# Altium PCB RGV_Control_1V21_unpoly.PcbDoc (part 4 of 5)
Units mm, origin at the board's own origin, x right, y up, seen from the top; angles counter-clockwise.
Board outline 221.11 x 150.42 mm, 4 copper layers (Top Layer, GND, Power, Bottom Layer), stack 1.56 mm thick; 530 components, 870 nets, 2373 pads, 590 vias.
Unrouted connection lines stored in the file: 760.
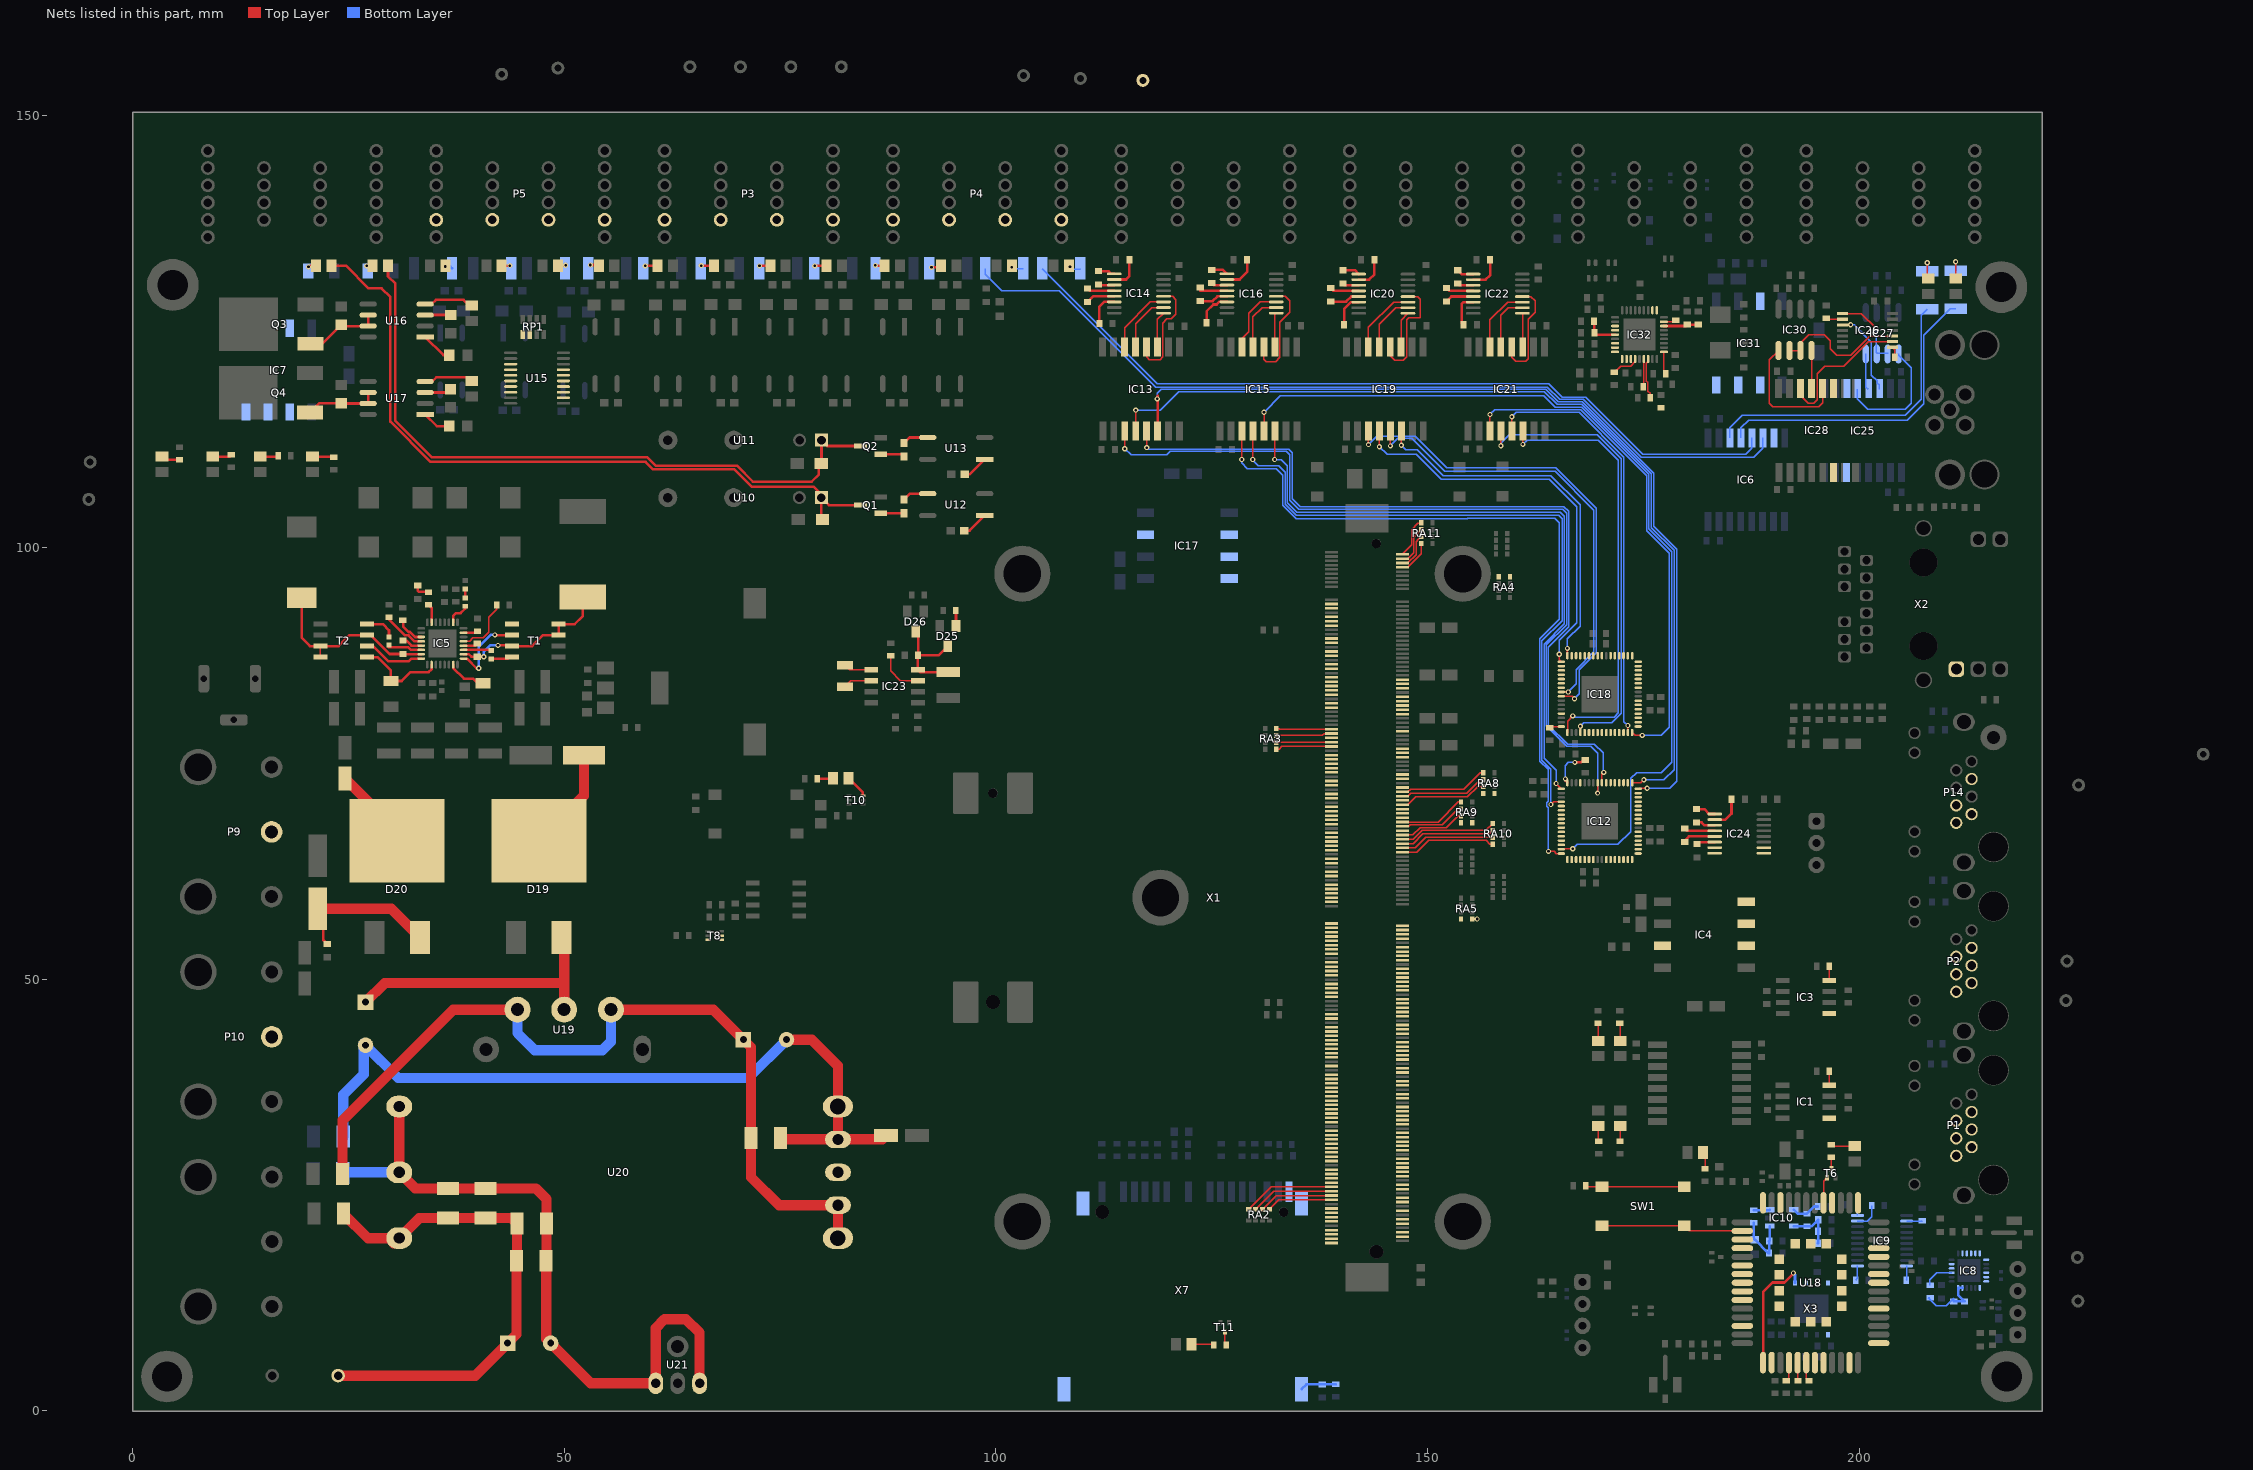
[diagram p6: the nets of this part, all layers, seen from the top]

## Via types
v1: diameter 0.6, hole 0.3, Top Layer to Bottom Layer, 533 vias
v2: diameter 0.5, hole 0.2, Top Layer to Bottom Layer, 32 vias
v3: diameter 0.6, hole 0.3, Top Layer to Bottom Layer, tented bottom, 25 vias

## Nets (pads, with @x,y where several pads share a name; then routed paths per layer and width w, separated by ;. In a path a pad name is that pad's centre, name@x,y a point inside that pad or via, vN(x,y) a via of type N, cw(c..) or ccw(c..) an arc to the next point about the centre after c; other vN are vias at no path point) (continued)
NetC47_1: C47.1 C48.1 IC8.5 IC8.6 R72.1 | length 7.9
  Bottom Layer w0.15: R72.1@208.15,13.125 207.949,13.125 208.899,12.175 210.043,12.175 210.922,13.053 C48.1@210.922,12.688
  Bottom Layer w0.3: C48.1@210.922,12.688 C47.1@212.166,12.688 211.424,13.43 IC8.6@211.424,14.256 IC8.5@211.924,14.256
NetC49_2: C49.2 C50.2 IC10.1 L17.1 R75.1 | length 7.5
  Bottom Layer w0.3: R75.1@187.749,21.779 187.749,19.966 L17.1@187.876,19.839 189.422,18.294 189.55,18.294 C49.2@189.55,19.675 ; C49.2@189.508,19.675 189.55,19.717 189.592,19.717 IC10.1@189.592,21.402
NetC51_2: C51.2 C52.2 IC10.5 R74.1 R76.2 | length 5.9
  Bottom Layer w0.3: IC10.5@192.392,21.402 192.396,21.398 R76.2@193.913,21.398 194.473,21.398 C52.2@195.225,22.15 195.225,20.825 C51.2@195.2,20.8 195.2,19.411 R74.1@195.195,19.406
NetC53_1: C53.1 C54.1 C55.1 C58.2 C163.1 E1.1 F1.2 U20.1 | length 58.9
  Top Layer w1.2: F1.2@23.825,4.089 39.689,4.089 E1.1@43.449,7.849 44.488,8.888 C53.1@44.488,17.399 44.539,17.45 C55.1@44.539,21.717 43.917,22.339 C54.1@40.919,22.339 C163.1@36.551,22.339 33.236,22.339 U20.1@30.912,20.015 ; C58.2@24.447,22.86 27.292,20.015 U20.1@30.912,20.015 ; U20.1@30.291,19.395 U20.1@30.912,20.015
NetC53_2: C53.2 C54.2 C55.2 C57.2 C163.2 E1.2 U20.2 U20.3 U21.1 U21.3 | length 81.9
  Top Layer w1.2: U20.3@30.912,35.255 U20.2@30.912,27.635 32.779,25.768 C163.2@36.551,25.768 C54.2@40.919,25.768 46.698,25.768 47.968,24.498 C55.2@47.968,21.717 47.968,17.45 C53.2@47.917,17.399 47.917,8.38 E1.2@48.449,7.849 53.097,3.2 U21.1@60.604,3.2 60.604,9.601 61.62,10.617 64.11,10.617 65.684,9.042 U21.3@65.684,3.2
  Bottom Layer w1.2: C57.2@24.371,27.534 24.473,27.635 U20.2@30.912,27.635
NetC56_1: C56.1 E3.1 U19.1 U20.7 U20.8 Y1.1 | length 98.5
  Top Layer w1.2: Y1.1@24.346,27.432 24.346,33.659 37.152,46.466 U19.1@44.603,46.466 ; U19.1@55.423,46.466 67.29,46.466 E3.1@70.754,43.002 71.641,42.115 C56.1@71.641,31.623 71.641,27.072 74.887,23.825 U20.7@81.712,23.825 U20.8@81.712,20.015
  Bottom Layer w1.2: U19.1@44.603,46.466 44.603,43.764 46.584,41.783 54.432,41.783 55.423,42.773 U19.1@55.423,46.466
NetC56_2: C56.2 E2.2 E3.2 L19.1 U20.4 U20.5 Y2.1 | length 92.3
  Top Layer w1.2: C56.2@75.07,31.623 75.248,31.445 U20.5@81.712,31.445 ; E3.2@75.754,43.002 78.689,43.002 81.712,39.98 U20.4@81.712,35.255 U20.5@81.712,31.445 ; L19.1@87.288,31.902 86.831,31.445 U20.5@81.712,31.445
  Bottom Layer w1.2: Y2.1@24.422,31.801 24.422,36.614 26.8,38.992 26.8,42.525 E2.2@26.988,42.337 ; E2.2@27.025,42.3 30.768,38.557 71.309,38.557 E3.2@75.754,43.002
NetC66_1: C66.1 IC5.26 L20.1 T1.3 T1.7 T1.8 | length 18.9
  Top Layer w0.3: IC5.26@38.355,87.625 38.969,87.625 39.256,87.338 C66.1@39.957,87.338 v1(40.704,87.338) ; v1(42.342,88.646) 43.544,88.646 T1.3@43.619,88.57 ; T1.3@43.96,88.57 46.304,88.57 47.574,89.84 T1.7@49.36,89.84 T1.8@49.36,91.11 51.232,91.11 52.146,92.024 L20.1@52.146,94.237
  Bottom Layer w0.3: v1(40.704,87.338) 40.704,87.922 41.427,88.646 v1(42.342,88.646)
NetC66_2: C66.2 IC5.28 | length 1.7
  Top Layer w0.3: IC5.28@38.355,88.625 39.694,88.625 C66.2@39.957,88.888
NetC75_2: C75.2 R38.1 | length 1.1
  Top Layer w0.3: R38.1@38.538,94.14 38.538,95.184 C75.2@38.544,95.19
NetC78_1: C78.1 IC5.15 L21.1 T2.3 T2.7 T2.8 | length 21.4
  Top Layer w0.15: T2.8@21.775,87.3 T2.7@21.775,88.57
  Top Layer w0.3: L21.1@19.609,94.173 19.609,89.541 20.58,88.57 T2.7@21.775,88.57 23.877,88.57 25.147,89.84 T2.3@27.175,89.84 27.591,89.84 29.776,87.655 C78.1@31.344,87.655 ; C78.1@31.587,87.655 31.618,87.625 IC5.15@33.455,87.625
NetC78_2: C78.2 IC5.13 | length 2.1
  Top Layer w0.3: C78.2@31.587,89.205 31.732,89.205 32.312,88.625 IC5.13@33.455,88.625
NetC87_2: C87.2 R43.1 | length 1.9
  Top Layer w0.3: C87.2@33.048,95.568 33.048,94.994 33.198,94.844 34.315,94.844 R43.1@34.29,94.818
NetC90_1: C90.1 IC14.3 | length 1.9
  Top Layer w0.3: C90.1@111.884,130.441 111.952,130.374 IC14.3@113.708,130.374
NetC90_2: C90.2 IC14.1 | length 2
  Top Layer w0.3: C90.2@111.884,131.991 113.032,131.991 113.35,131.674 IC14.1@113.708,131.674
NetC96_1: C96.1 IC14.5 | length 3.4
  Top Layer w0.3: C96.1@110.614,128.435 111.253,129.074 IC14.5@113.708,129.074
NetC96_2: C96.2 IC14.4 | length 3.2
  Top Layer w0.3: C96.2@110.614,129.985 110.875,129.724 IC14.4@113.708,129.724
NetC100_2: C100.2 IC14.2 | length 3.8
  Top Layer w0.3: IC14.2@113.708,131.024 115.074,131.024 115.45,131.4 C100.2@115.45,133.325
NetC101_2: C101.2 IC14.6 | length 3.9
  Top Layer w0.3: C101.2@111.975,125.925 111.975,127.868 112.531,128.424 IC14.6@113.708,128.424
NetC103_1: C103.1 IC16.3 | length 1.9
  Top Layer w0.3: C103.1@124.99,130.593 125.21,130.373 IC16.3@126.755,130.373
NetC103_2: C103.2 IC16.1 | length 2
  Top Layer w0.3: C103.2@124.99,132.143 126.285,132.143 IC16.1@126.755,131.673
NetC104_1: C104.1 IC16.5 | length 3.3
  Top Layer w0.3: C104.1@123.67,128.524 125.105,128.524 125.655,129.073 IC16.5@126.755,129.073
NetC104_2: C104.2 IC16.4 | length 3.4
  Top Layer w0.3: C104.2@123.67,130.074 123.67,129.723 IC16.4@126.755,129.723
NetC107_2: C107.2 IC16.2 | length 4.1
  Top Layer w0.3: IC16.2@126.755,131.023 128.223,131.023 129.125,131.925 C107.2@129.125,133.325
NetC108_2: C108.2 IC16.6 | length 4.1
  Top Layer w0.3: C108.2@124.393,126.009 124.393,127.343 125.174,128.124 125.549,128.124 125.848,128.423 IC16.6@126.755,128.423
NetC113_1: C113.1 IC20.3 | length 1.9
  Top Layer w0.3: C113.1@140.183,130.543 140.377,130.348 IC20.3@142.015,130.348
NetC113_2: C113.2 IC20.1 | length 2
  Top Layer w0.3: C113.2@140.183,132.093 141.57,132.093 IC20.1@142.015,131.648
NetC119_1: C119.1 IC20.5 | length 3.5
  Top Layer w0.3: C119.1@138.786,128.46 140.566,128.46 141.155,129.048 IC20.5@142.015,129.048
NetC119_2: C119.2 IC20.4 | length 3.4
  Top Layer w0.3: C119.2@138.786,130.01 139.097,129.698 IC20.4@142.015,129.698
NetC123_2: C123.2 IC20.2 | length 3.8
  Top Layer w0.3: IC20.2@142.015,130.998 143.223,130.998 143.825,131.6 C123.2@143.825,133.325
NetC124_2: C124.2 IC20.6 | length 3.8
  Top Layer w0.3: C124.2@140.322,125.781 140.322,127.597 141.123,128.398 IC20.6@142.015,128.398
NetC126_1: C126.1 IC22.3 | length 1.9
  Top Layer w0.3: C126.1@153.492,130.543 153.687,130.348 IC22.3@155.265,130.348
NetC126_2: C126.2 IC22.1 | length 2
  Top Layer w0.3: C126.2@153.492,132.093 153.937,131.648 IC22.1@155.265,131.648
NetC127_1: C127.1 IC22.5 | length 3.3
  Top Layer w0.3: C127.1@152.171,128.486 152.734,129.048 IC22.5@155.265,129.048
NetC127_2: C127.2 IC22.4 | length 3.2
  Top Layer w0.3: C127.2@152.171,130.036 152.509,129.698 IC22.4@155.265,129.698
NetC130_2: C130.2 IC22.2 | length 4
  Top Layer w0.3: IC22.2@155.265,130.998 156.714,130.998 157.225,131.509 C130.2@157.225,133.325
NetC131_2: C131.2 IC22.6 | length 3.9
  Top Layer w0.3: C131.2@154.14,125.781 153.925,125.995 153.925,128.167 154.156,128.398 IC22.6@155.265,128.398
NetC132_2: C132.2 C133.2 D25.3 D26.3 IC23.8 | length 12.1
  Top Layer w0.15: D26.3@90.703,90.265 D26.3@90.996,89.972 ; C133.2@90.965,87.498 C133.2@90.996,87.528
  Top Layer w0.3: C133.2@90.996,87.528 D26.3@90.996,89.972 ; D25.3@94.427,88.581 93.343,87.498 90.965,87.498 IC23.8@90.965,85.827 91.23,85.561 C132.2@94.499,85.561
NetC138_1: C138.1 IC24.3 | length 2.2
  Top Layer w0.3: C138.1@181.127,68.148 181.7,68.148 182.02,67.828 IC24.3@183.23,67.828
NetC138_2: C138.2 IC24.1 | length 2.3
  Top Layer w0.3: C138.2@181.127,69.698 182.025,69.698 182.595,69.128 IC24.1@183.23,69.128
NetC139_1: C139.1 IC24.5 | length 4
  Top Layer w0.3: C139.1@179.756,65.9 179.625,65.9 180.253,66.528 IC24.5@183.23,66.528
NetC139_2: C139.2 IC24.4 | length 3.6
  Top Layer w0.3: C139.2@179.756,67.45 180.028,67.178 IC24.4@183.23,67.178
NetC140_2: C140.2 IC24.2 | length 3.9
  Top Layer w0.3: IC24.2@183.23,68.478 184.478,68.478 185.175,69.175 C140.2@185.175,70.85
NetC141_2: C141.2 IC24.6 | length 2.1
  Top Layer w0.3: C141.2@181.178,65.647 181.409,65.878 IC24.6@183.23,65.878
NetC158_2: C158.2 C159.2 IC32.14 | length 3.8
  Top Layer w0.3: C158.2@169.279,126.187 169.29,126.176 C159.2@169.29,124.841 169.495,124.636 IC32.14@171.7,124.636
NetC161_2: C161.2 C162.2 IC32.34 | length 4
  Top Layer w0.3: IC32.34@177.35,125.636 179.912,125.636 C161.2@180.061,125.785 C162.2@181.331,125.785
NetC164_2: C164.2 D20.3 FU2.2 | length 17.7
  Top Layer w0.3: FU2.2@21.463,58.139 22.125,57.477 22.125,54.52 C164.2@22.555,54.09
  Top Layer w1.2: FU2.2@21.463,58.139 29.999,58.139 D20.3@33.297,54.842
NetC166_2: C166.2 R135.2 X7.S1 X7.S2 X7.S3 X7.S4 | length 4.2
  Bottom Layer w0.3: X7.S1@135.407,2.525 135.969,3.086 C166.2@137.795,3.086 139.358,3.086 R135.2@139.37,3.098
NetD10_1: D10.1 LED5.K Q1.1 U10.1 | length 84
  Top Layer w0.3: LED5.K@23.039,132.625 24.75,132.625 27.375,130 28.85,130 29.875,128.975 29.875,114.55 34.525,109.9 59.425,109.9 60.255,109.07 69.68,109.07 71.75,107 78.925,107 79.781,106.144 U10.1@79.781,105.766 ; D10.1@79.908,103.226 79.781,103.353 U10.1@79.781,105.766 ; Q1.1@84.321,104.902 80.645,104.902 U10.1@79.781,105.766
NetD11_1: D11.1 LED6.K Q2.1 U11.1 | length 79.5
  Top Layer w0.3: LED6.K@29.61,132.625 29.61,131.389 30.45,130.548 30.45,114.65 34.65,110.45 59.625,110.45 60.605,109.47 70.005,109.47 71.875,107.6 78.65,107.6 79.5,108.45 79.5,109.421 D11.1@79.781,109.703 79.807,109.728 U11.1@79.807,112.42 80.493,111.735 Q2.1@84.321,111.735
NetD19_2: D19.2 FU1.1 | length 12.1
  Top Layer w1.2: D19.2@47.066,66.012 52.3,71.246 FU1.1@52.3,75.946
NetD19_3: D19.3 E2.1 U19.2 | length 32.4
  Top Layer w1.2: E2.1@27,47.35 29.205,49.555 50.013,49.555 ; D19.3@49.706,54.842 50.013,54.535 50.013,49.555 ; U19.2@50.013,46.466 50.013,49.555
NetD20_2: D20.2 L6.1 | length 9.7
  Top Layer w1.2: L6.1@24.638,73.216 30.657,67.197 D20.2@30.657,66.012
NetD21_A: D21.A R78.2 | length 2.2
  Top Layer w0.3: D21.A@9.322,110.517 11.266,110.517 R78.2@11.455,110.707
NetD22_A: D22.A R79.2 | length 2.5
  Top Layer w0.3: D22.A@20.856,110.517 23.253,110.517 R79.2@23.343,110.428
NetD23_A: D23.A R80.2 | length 2.1
  Top Layer w0.3: D23.A@14.832,110.517 16.828,110.517 R80.2@16.903,110.592
NetD24_A: D24.A R81.2 | length 2.2
  Top Layer w0.3: D24.A@3.429,110.517 3.8,110.146 R81.2@5.461,110.146
NetD25_1: D25.1 R96.1 | length 1.8
  Top Layer w0.3: R96.1@95.365,92.685 95.377,92.673 D25.1@95.377,90.881
NetDI1_A: DI1.A R15.2 | length 1.4
  Top Layer w0.3: v1(79.025,132.6) 79.05,132.625 DI1.A@80.396,132.625
NetDI2_K: DI2.K R16.1 | length 0.9
  Bottom Layer w0.3: v1(36.225,132.525) 36.8,132.525 R16.1@37.025,132.3
NetDI3_A: DI3.A R19.2 | length 1.1
  Top Layer w0.3: v1(86.05,132.65) 86.075,132.625 DI3.A@87.121,132.625
NetDI4_K: DI4.K R20.1 | length 1
  Top Layer w0.3: DI4.K@42.766,132.625 v1(43.725,132.625)
NetDI5_A: DI5.A R23.2 | length 1.2
  Top Layer w0.3: v1(92.546,132.425) 93.44,132.425 DI5.A@93.64,132.625
NetDI6_K: DI6.K R24.1 | length 0.9
  Top Layer w0.3: DI6.K@49.285,132.625 50.125,132.625 v1(50.175,132.675)
NetDI7_A: DI7.A R27.2 | length 1
  Top Layer w0.3: v1(53.05,132.7) 53.95,132.7 DI7.A@54.025,132.625
NetDI8_K: DI8.K R136.2 | length 1.4
  Bottom Layer w0.15: v1(101.825,132.45) 102,132.275 R136.2@103.175,132.275
NetDI9_K: DI9.K R137.2 | length 1.3
  Bottom Layer w0.15: v1(108.575,132.475) 108.825,132.225 109.75,132.225 R137.2@109.775,132.25
NetDI10_K: DI10.K R138.2 | length 3
  Top Layer w0.15: v1(211.125,133.075) 211.125,131.14 DI10.K@211.15,131.115
  Bottom Layer w0.15: v1(211.125,133.075) 211.15,133.05 R138.2@211.15,132.05
NetDI11_A: DI11.A R29.2 | length 1.4
  Top Layer w0.3: v1(59.4,132.6) 60.807,132.6 DI11.A@60.832,132.625
NetDI12_K: DI12.K R139.2 | length 2.9
  Top Layer w0.15: v1(207.85,132.95) 207.85,131.24 DI12.K@207.975,131.115
  Bottom Layer w0.15: v1(207.85,132.95) 207.875,132.925 207.875,131.994 R139.2@207.856,131.975
NetDI13_A: DI13.A R31.2 | length 1.5
  Top Layer w0.3: v1(65.875,132.625) DI13.A@67.353,132.625
NetDI14_A: DI14.A R47.2 | length 1.3
  Top Layer w0.3: v1(72.625,132.6) 72.65,132.625 DI14.A@73.875,132.625
NetDO1_A: DO1.A U16.4 | length 5.9
  Top Layer w0.3: U16.4@33.907,128.168 34.658,128.168 35.155,128.665 38.369,128.665 38.659,128.375 38.936,128.375 DO1.A@39.319,127.992
NetDO2_A: DO2.A U17.4 | length 5.8
  Top Layer w0.3: U17.4@33.907,119.202 34.725,119.202 35.223,119.7 38.873,119.7 DO2.A@39.294,119.279
NetIC1_5: IC1.5
NetIC1_8: IC1.8 R1.1 | length 1.7
  Top Layer w0.15: IC1.8@196.502,37.668 196.502,39.339 R1.1@196.508,39.346
NetIC3_5: IC3.5
NetIC3_8: IC3.8 R7.1 | length 1.7
  Top Layer w0.15: IC3.8@196.502,49.835 196.502,51.481 R7.1@196.508,51.487
NetIC4_3: IC4.3
NetIC4_6: IC4.6
NetIC4_7: IC4.7
NetIC4_8: IC4.8
NetIC5_2: IC5.2 R38.2 | length 2.7
  Top Layer w0.3: IC5.2@37.155,91.325 37.155,92.045 37.49,92.38 38.024,92.38 38.538,92.894 R38.2@38.538,93.18
NetIC5_7: IC5.7 R43.2 | length 2.2
  Top Layer w0.3: R43.2@34.29,93.368 34.655,93.003 IC5.7@34.655,91.325
NetIC5_11: IC5.11 R42.1 | length 3.3
  Top Layer w0.3: R42.1@31.333,91.579 31.352,91.559 31.352,90.857 32.004,90.205 32.15,90.205 32.731,89.625 IC5.11@33.455,89.625
NetIC5_12: IC5.12 R40.2 | length 5
  Top Layer w0.3: R40.2@29.718,91.909 29.718,91.666 31.579,89.805 31.985,89.805 32.665,89.125 IC5.12@33.455,89.125
NetIC5_14: IC5.14 R41.1 | length 3.9
  Top Layer w0.3: R41.1@29.682,88.45 29.718,88.45 29.751,88.417 31.954,88.417 32.247,88.125 IC5.14@33.455,88.125
NetIC5_16: IC5.16 T2.2 | length 7.2
  Top Layer w0.3: T2.2@27.175,88.57 27.863,88.57 29.642,86.792 31.979,86.792 32.311,87.125 IC5.16@33.455,87.125
NetIC5_18: IC5.18 R83.1 T2.1 | length 10.4
  Top Layer w0.3: T2.1@27.175,87.3 28.393,87.3 29.936,85.757 R83.1@29.936,84.533 31.193,84.533 32.207,85.547 34.315,85.547 34.655,85.887 IC5.18@34.655,86.425
NetIC5_23: IC5.23 R37.1 T1.1 | length 4.4
  Top Layer w0.3: IC5.23@37.155,86.425 37.155,86.059 38.404,84.811 39.446,84.811 39.978,84.279 R37.1@40.486,84.279
NetIC5_25: IC5.25 T1.2 | length 8.3
  Top Layer w0.3: IC5.25@38.787,87.074 39.857,86.004 v1(40.107,86.004) ; v1(41.986,89.865) 42.011,89.84 T1.2@43.619,89.84
  Bottom Layer w0.3: v1(40.107,86.004) 40.107,88.468 41.504,89.865 v1(41.986,89.865)
NetIC5_27: IC5.27 R33.1 | length 3
  Top Layer w0.3: IC5.27@38.355,88.125 41.326,88.125 R33.1@41.366,88.085
NetIC5_29: IC5.29 R85.2 | length 6.9
  Top Layer w0.15: IC5.29@38.355,89.125 39.061,89.125 39.446,89.51 40.631,89.51 41.3,90.179 41.3,91.921 42.191,92.812 R85.2@42.191,93.32
NetIC5_31: IC5.31 R36.2 | length 1.7
  Top Layer w0.3: IC5.31@38.355,90.125 39.785,90.125 R36.2@39.969,90.309
NetIC6_3: IC6.3 R139.1 | length 35.4
  Bottom Layer w0.15: IC6.3@184.998,112.673 184.998,113.848 186.425,115.275 205.3,115.275 207.177,117.152 207.177,126.896 R139.1@207.856,127.575
NetIC6_4: IC6.4 R138.1 | length 36.4
  Bottom Layer w0.15: IC6.4@186.268,112.673 186.268,113.848 187.154,114.734 205.525,114.734 207.427,116.637 207.427,124.577 210.5,127.65 R138.1@211.15,127.65
NetIC6_5: IC6.5 R137.1 | length 92.5
  Bottom Layer w0.15: R137.1@105.375,132.25 118.675,118.95 164,118.95 165.575,117.375 168.3,117.375 174.9,110.775 186.815,110.775 187.538,111.498 IC6.5@187.538,112.673
NetIC6_6: IC6.6 R136.1 | length 101.1
  Bottom Layer w0.15: R136.1@98.775,132.275 98.775,131.65 100.702,129.723 107.352,129.723 118.525,118.55 163.85,118.55 165.275,117.125 168.011,117.125 174.711,110.425 187.735,110.425 188.808,111.498 IC6.6@188.808,112.673
NetIC6_7: IC6.7
NetIC7_3: IC7.3
NetIC7_6: IC7.6
NetIC7_7: IC7.7
NetIC7_8: IC7.8
NetIC8_1: IC8.1
NetIC8_9: IC8.9 R72.2 | length 3.5
  Bottom Layer w0.15: R72.2@208.15,14.575 208.15,15.188 208.968,16.006 IC8.9@210.674,16.006
NetIC8_10: IC8.10
NetIC8_11: IC8.11
NetIC8_14: IC8.14
NetIC8_15: IC8.15
NetIC8_16: IC8.16
NetIC8_17: IC8.17
NetIC8_18: IC8.18
NetIC8_19: IC8.19
NetIC8_22: IC8.22
NetIC8_23: IC8.23
NetIC8_24: IC8.24
NetIC9_1: IC9.1 R67.2 | length 1.7
  Bottom Layer w0.15: R67.2@199.575,15.15 199.766,15.341 IC9.1@199.766,16.793
NetIC9_9: IC9.9 R69.2 | length 3.2
  Bottom Layer w0.15: IC9.9@199.766,21.993 199.813,21.946 200.896,21.946 201.434,22.484 R69.2@201.434,23.79
NetIC9_10: IC9.10 R71.2 | length 1.2
  Bottom Layer w0.15: IC9.10@199.766,22.643 199.766,23.822 R71.2@199.81,23.866
NetIC9_12: IC9.12 R70.1 | length 1.8
  Bottom Layer w0.15: IC9.12@205.466,21.993 207.224,21.993 R70.1@207.264,22.033
NetIC9_20: IC9.20 R68.1 | length 1.7
  Bottom Layer w0.15: R68.1@205.425,15.15 205.466,15.191 IC9.20@205.466,16.793
NetIC10_3: IC10.3 R75.2 | length 1.9
  Bottom Layer w0.3: R75.2@187.749,23.229 189.52,23.229 IC10.3@189.592,23.302
NetIC10_4: IC10.4 R76.1 R77.2 | length 3.3
  Bottom Layer w0.3: IC10.4@192.392,23.302 192.846,22.848 R76.1@193.913,22.848 194.738,23.673 R77.2@195.184,23.673
NetIC12_1: IC12.1 IC15.6 | length 75.5
  Top Layer w0.15: v1(132.275,110.175) 132.275,113.345 132.225,113.395 IC15.6@132.319,113.489 ; v1(164.871,72.655) IC12.1@165.476,72.051
  Bottom Layer w0.15: v1(132.275,110.175) 133.025,110.175 133.75,109.45 133.75,105.175 134.85,104.075 165.35,104.075 165.825,103.6 165.825,91.154 163.475,88.804 163.475,75.575 164.871,74.179 v1(164.871,72.655)
NetIC12_4: IC12.4 IC15.4 | length 80.1
  Top Layer w0.15: v1@129.75,110.1 v1(129.75,110.175) 129.75,113.375 129.707,113.417 IC15.4@129.779,113.489 ; v1(164.263,70.231) 164.593,70.561 165.465,70.561 IC12.4@165.476,70.551
  Bottom Layer w0.15: v1@129.75,110.1 130.375,109.475 132.725,109.475 133.5,108.7 133.5,105 134.775,103.725 165.15,103.725 165.575,103.3 165.575,91.525 163.225,89.175 163.225,75.359 164.263,74.322 v1(164.263,70.231)
NetIC12_5: IC12.5
NetIC12_6: IC12.6
NetIC12_7: IC12.7
NetIC12_8: IC12.8